# KiCad board AnalogComputer.kicad_pcb (continued)
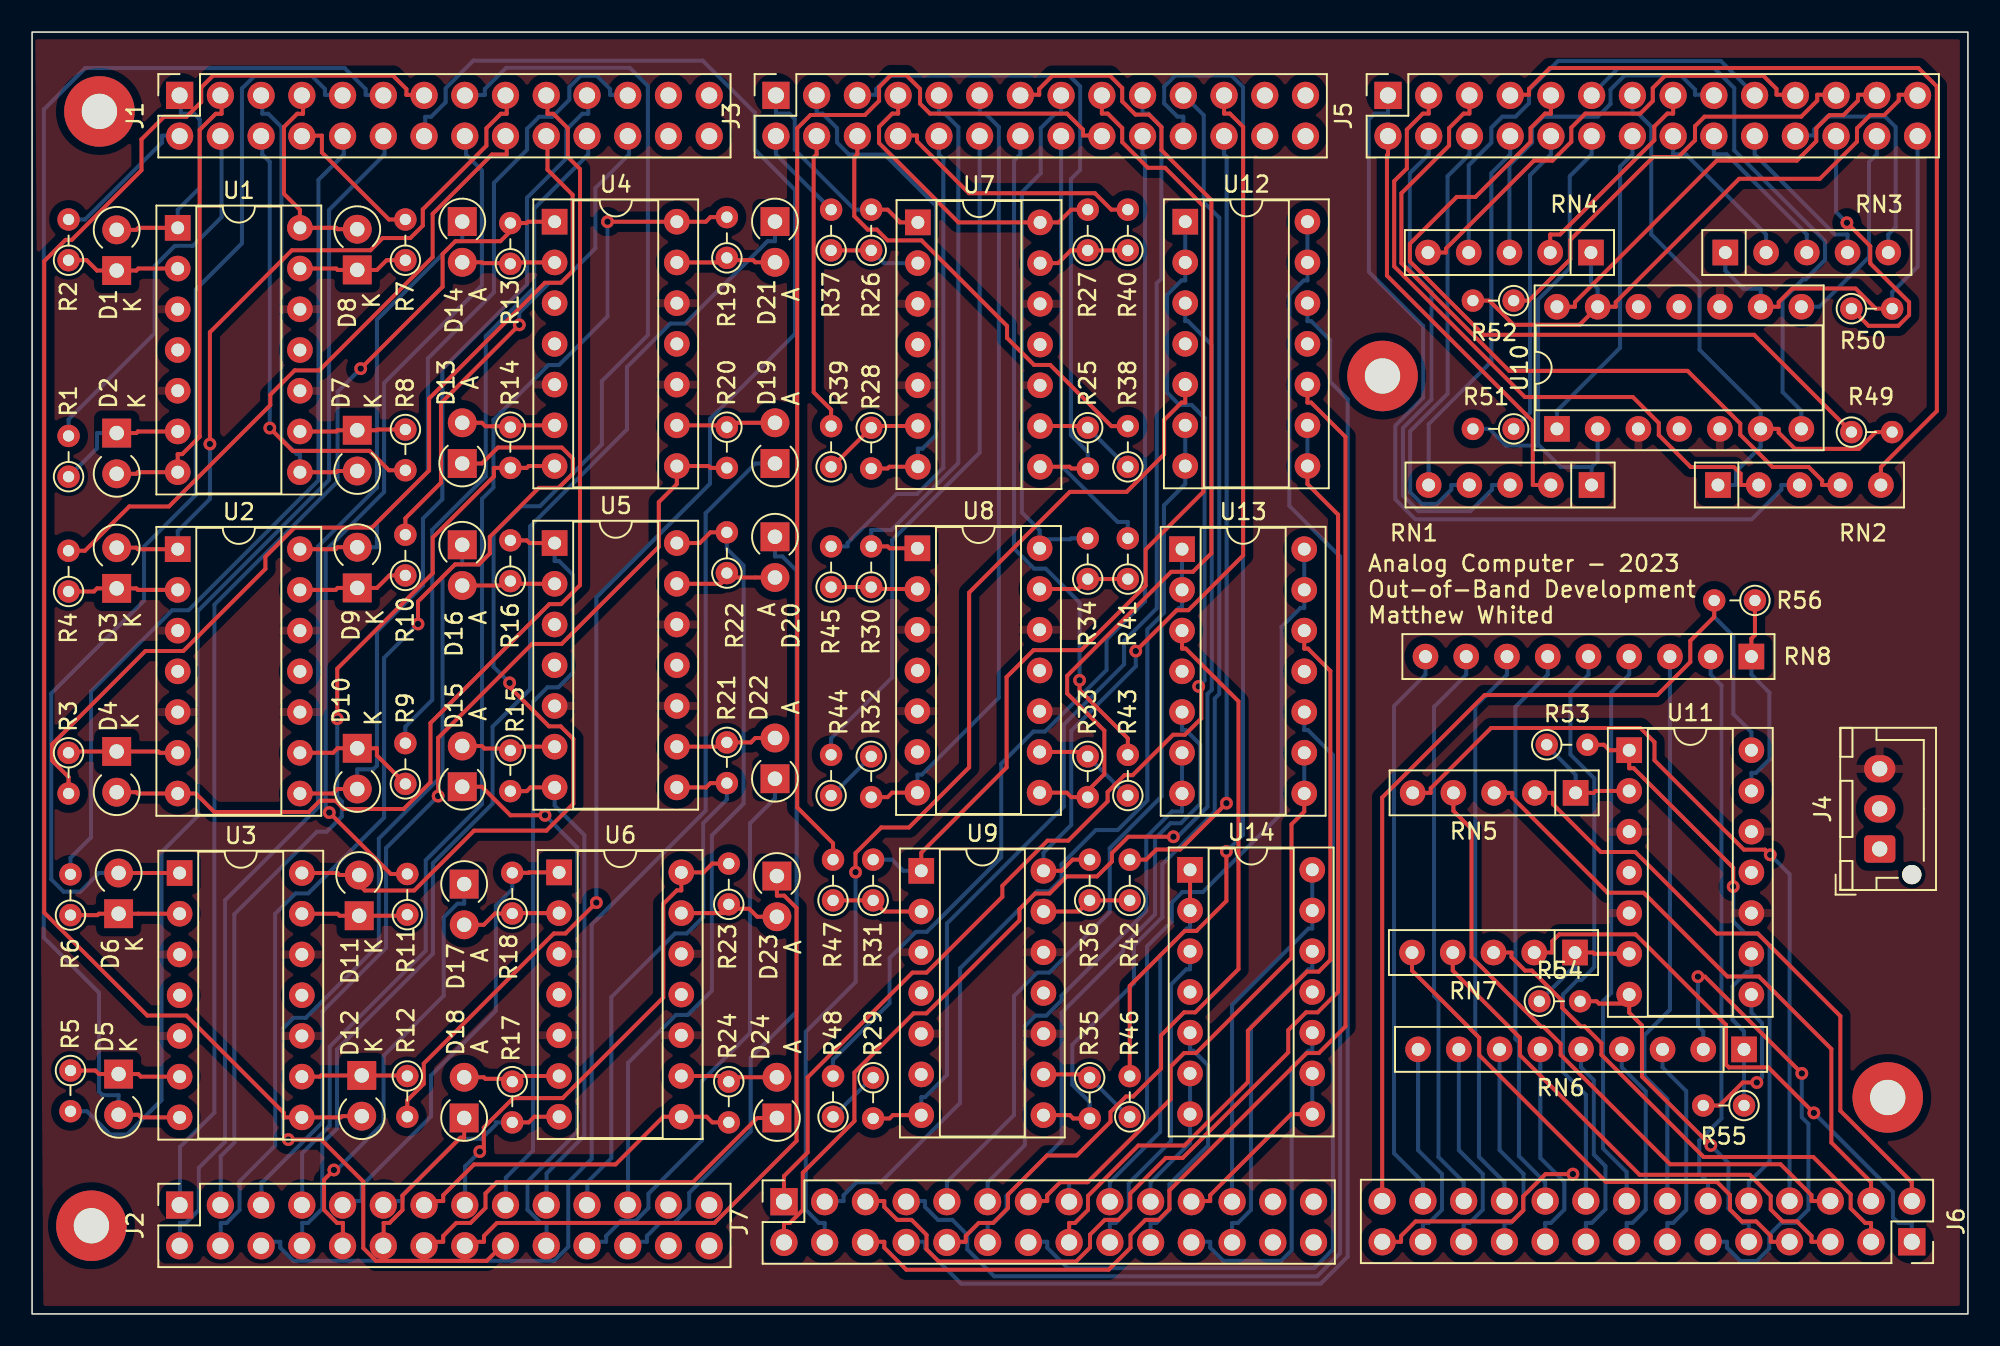
[diagram p0: board, top side]
## Routing (per net, layer and track width the routed paths; a pad name or vN(x,y) marks a point on that pad's centre or on a via; arc(x,y) is an arc through that point) (continued)
  Bottom w0.25: v1(25.32,32.3) 22.07,29.05 22.07,22.84 18.11,18.87 18.11,11.96 14.37,8.22 14.3,8.22 14.3,7.04
/ALogOut3: length 76.9
  Top w0.25: v1(35.88,68.12) U4.14 42.01,68.12 42.29,68.41 R19.2
  Bottom w0.25: v1(35.88,68.12) 35.88,62.21 32.85,59.18 32.19,59.18 28.77,55.76 28.77,51.55 28.05,50.83 28.05,31.8 24.54,28.29 24.54,22.66 18.56,16.67 18.56,11.74 16.84,10.02 16.84,7.04
/ALogOut4: length 28.5
  Top w0.25: R18.2 30.97,27.52 30.99,27.54 U6.1
  Bottom w0.25: 19.38,7.04 20.56,7.04 20.56,8 24.87,12.32 24.87,14.87 28.91,18.91 28.91,25.46 29.94,26.49 R18.2
/ALogOut5: length 13.4
  Top w0.25: R17.2 30.97,11.95 31.32,12.3 U6.7
  Bottom w0.25: 21.92,7.04 23.1,7.04 23.1,7.41 26.61,10.92 28.02,10.92 28.91,11.82 28.91,11.95 R17.2
/ALogOut6: length 21.5
  Top w0.25: 24.46,7.04 25.64,7.04 25.64,7.41 27.56,9.33 36.38,9.33 39.35,12.3 U6.8 42.06,12.3 42.41,11.95 R24.2
/ALogOut7: length 31.2
  Top w0.25: R23.2 42.41,28.09 41.87,27.54 U6.14 40.48,26.41 40.2,26.41 39.35,25.57 39.35,19.73 33.08,13.46 30,13.46 28.17,11.62 28.17,10.38 v1(27.91,10.12)
  Bottom w0.25: v1(27.91,10.12) 27,9.21 27,7.04
/ALogOut8: length 46.6
  Top w0.25: R16.2 30.85,48.25 31.01,48.08 U5.1
  Bottom w0.25: 29.54,7.04 29.54,8.5 31.24,10.2 31.24,38.18 32.13,39.08 32.81,39.08 33.72,39.99 33.72,46.09 32.86,46.95 32.58,46.95 U5.1
/ALogOut9: length 30.4
  Top w0.25: U5.7 31.08,32.84 30.85,32.61 R15.2
  Bottom w0.25: 32.08,7.04 32.08,8.76 34.44,11.12 34.44,29.86 32.58,31.71 U5.7
/ALogOut10: length 33.3
  Top w0.25: R21.2 42.29,33.11 42.03,32.84 U5.8
  Bottom w0.25: 34.62,7.04 34.62,8.22 36.12,9.71 36.12,19.76 40.09,23.73 40.82,23.73 41.84,24.75 41.84,30.61 43.32,32.08 R21.2
/ALogOut11: length 48.9
  Top w0.25: R22.2 42.29,48.75 41.63,48.08 U5.14
  Bottom w0.25: 37.16,7.04 37.16,15.66 40.15,18.65 40.88,18.65 42.38,20.16 42.38,29.85 44.36,31.83 44.36,46.68 43.32,47.72 R22.2
/Buffer In 0: length 74.5
  Top w0.25: v1(71.16,29.76) 68.35,29.76 67.33,28.74 67.33,28.21 66.4,27.29 64.51,27.29 63.44,26.22 62.54,26.22 61.56,25.24 61.56,24.54 55.77,18.75 54.97,18.75 51.27,15.06 51.27,12.03 48.06,8.81 48.06,6.48 47.25,5.68 46.88,5.68 46.88,4.5
  Bottom w0.25: U12.3 71.9,61.92 72.08,61.92 73.56,60.44 73.56,38.93 73.29,38.66 73.29,31.63 71.42,29.76 v1(71.16,29.76)
/Buffer In 1: length 67.2
  Top w0.25: v1(51.34,27.55) 51.34,28.74 52.94,30.34 54.68,30.34 58.43,34.09 58.43,44.99 64.71,51.27 68.24,51.27 70.58,53.61 70.58,55.75 71.67,56.84 71.9,56.84 U12.5
  Bottom w0.25: v1(51.34,27.55) 51.34,20.7 48.24,17.6 48.24,6.48 49.05,5.68 49.42,5.68 49.42,4.5
/Buffer In 2: length 79.5
  Top w0.25: U12.10 79.52,56.84 79.75,56.84 81.89,54.7 81.89,17.93 80.23,16.27 79.48,16.27 70.92,7.71 70.92,6.55 70.23,5.86 69.41,5.86 68.49,4.94 68.49,4.13 67.12,2.76 54.51,2.76 53.14,4.13 53.14,4.5 51.96,4.5
/Buffer In 3: length 90.2
  Bottom w0.25: U12.12 79.52,61.92 79.75,61.92 80.93,60.74 80.93,58.14 82.03,57.05 82.03,3.57 80.35,1.9 57.91,1.9 55.68,4.13 55.68,4.5 54.5,4.5
/Buffer In 4: length 50.2
  Top w0.25: U13.3 71.7,41.49 71.93,41.49 75.22,38.21 75.22,21.51 72.52,18.81 71.83,18.81 70.39,17.37 70.39,15.3 68.65,13.56 68.21,13.56 67.24,12.59 67.24,11.99 65.14,9.88 63.28,9.88 60.85,7.45 60.85,6.61 59.92,5.68 59.02,5.68 58.22,4.87 58.22,4.5 57.04,4.5
/Buffer In 5: length 39.7
  Bottom w0.25: U13.5 71.7,36.41 71.93,36.41 72.84,35.51 72.84,31.82 71.63,30.61 70.98,30.61 70.02,29.65 70.02,24.93 68.03,22.93 68.03,22.62 64.19,18.78 64.19,10.79 60.76,7.36 60.76,6.48 59.95,5.68 59.58,5.68 59.58,4.5
/Buffer In 6: length 54.8
  Bottom w0.25: 62.12,4.5 63.3,4.5 63.3,4.13 64.57,2.86 79.94,2.86 81.11,4.02 81.11,34.86 79.55,36.41 79.32,36.41 U13.10
/Buffer In 7: length 48
  Top w0.25: U13.12 79.32,41.49 79.55,41.49 80.95,40.1 80.95,22.08 80.22,21.35 79.49,21.35 75.81,17.66 75.81,14.46 71.85,10.5 68.98,10.5 65.84,7.36 65.84,6.48 65.03,5.68 64.66,5.68 64.66,4.5
/Buffer In 8: length 20.5
  Bottom w0.25: U14.3 72.2,21.49 71.97,21.49 71.01,20.54 71.01,10.78 68.38,8.15 68.38,6.48 67.57,5.68 67.2,5.68 67.2,4.5
/Buffer In 9: length 15.3
  Bottom w0.25: U14.5 72.2,16.41 72.41,16.41 73.33,15.5 73.33,10.5 70.92,8.09 70.92,6.48 70.11,5.68 69.74,5.68 69.74,4.5
/Buffer In 10: length 21.5
  Bottom w0.25: U14.10 79.82,16.41 79.59,16.41 78.54,15.36 78.54,3.97 77.88,3.31 74.28,3.31 73.46,4.13 73.46,4.5 72.28,4.5
/Buffer In 11: length 20.5
  Bottom w0.25: 74.82,4.5 74.82,5.68 75.19,5.68 76,6.48 76,17.9 79.59,21.49 79.82,21.49 U14.12
/Buffer Out 0: length 76.1
  Top w0.25: v1(72.74,39.14) 72.9,38.98 72.9,37.14 71.88,36.13 71.14,36.13 68.62,33.6 68.11,33.6 67.06,32.55 67.06,31.97 64.61,29.52 63.31,29.52 60.5,26.7 60.5,26.02 55.77,21.29 54.89,21.29 48.36,14.75 48.36,10.07 46.88,8.6 46.88,7.04
  Bottom w0.25: U12.1 U12.2 71.9,64.46 71.67,64.46 70.77,63.56 70.77,57.46 71.54,56.69 72.3,56.69 73.11,55.88 73.11,39.51 v1(72.74,39.14)
/Buffer Out 1: length 60.5
  Bottom w0.25: 49.42,7.04 50.6,7.04 50.6,7.41 51.4,8.22 52.92,8.22 57.86,13.16 57.86,21.56 62.67,26.37 63.43,26.37 64.19,27.12 64.19,28.04 66.32,30.18 67.69,30.18 69.54,32.03 69.54,42.69 70.57,43.72 70.57,50.43 71.9,51.76 U12.7 U12.6
/Buffer Out 2: length 76.7
  Top w0.25: U12.8 79.52,51.76 81.43,49.85 81.43,20.08 80.16,18.81 79.43,18.81 78.32,17.7 78.32,16.31 71.74,9.73 70.69,9.73 68.47,7.51 68.47,6.61 67.73,5.86 66.88,5.86 65.96,4.95 65.96,4.14 65.1,3.27 56.52,3.27 55.77,4.03 55.77,4.93 54.84,5.86 53.94,5.86 53.14,6.67 53.14,7.04 51.96,7.04
  Bottom w0.25: U12.9 U12.8
/Buffer Out 3: length 96.6
  Bottom w0.25: 54.5,7.04 55.68,7.04 55.68,6.67 56.48,5.86 57.38,5.86 58.31,4.93 58.31,4.03 59.99,2.35 80.12,2.35 81.56,3.79 81.56,47.23 78.39,50.4 78.39,63.56 79.29,64.46 79.52,64.46 U12.13 U12.14
/Buffer Out 4: length 47.3
  Bottom w0.25: 57.04,7.04 57.04,8.22 61.22,12.4 61.22,19.83 62.68,21.29 63.42,21.29 67.19,25.06 67.19,29.04 70.44,32.29 70.44,42.96 71.52,44.03 71.7,44.03 U13.2 U13.1
/Buffer Out 5: length 33.7
  Bottom w0.25: 59.58,7.04 59.58,8.22 61.9,10.53 61.9,17.95 62.55,18.6 63.24,18.6 64.19,19.55 64.19,19.85 69.47,25.13 69.47,29.73 71.07,31.33 71.7,31.33 U13.7 U13.6
/Buffer Out 6: length 37.2
  Top w0.25: 62.12,7.04 63.3,7.04 63.3,7.41 64.1,8.22 65.81,8.22 70.99,13.39 70.99,15.43 71.83,16.27 72.58,16.27 78.52,22.22 78.52,30.54 79.32,31.33 U13.8
  Bottom w0.25: U13.9 U13.8
/Buffer Out 7: length 48.3
  Bottom w0.25: 64.66,7.04 64.66,8.22 65.84,8.22 69.52,11.9 69.52,22.93 71.06,24.47 71.06,25.65 71.72,26.31 73,26.31 77.91,31.22 77.91,42.85 79.09,44.03 79.32,44.03 U13.13 U13.14
/Buffer Out 8: length 22.8
  Top w0.25: U14.2 U14.1
  Bottom w0.25: 67.2,7.04 67.2,8.22 70.34,11.35 70.34,22.37 72.01,24.03 72.2,24.03 U14.2
/Buffer Out 9: length 9
  Bottom w0.25: 69.74,7.04 69.74,8.22 72.2,10.68 U14.7 U14.6
/Buffer Out 10: length 12.5
  Top w0.25: U14.8 78.51,12.46 73.46,7.41 73.46,7.04 72.28,7.04
  Bottom w0.25: U14.9 U14.8
/Buffer Out 11: length 22.9
  Bottom w0.25: U14.14 U14.13 79.82,24.03 79.59,24.03 74.82,19.27 74.82,7.04
/In 1k A 4: length 19.3
  Bottom w0.25: 94.7,73.5 94.7,72.32 93.4,71.03 93.4,56.23 R51.1
/In 1k B 4: length 46.9
  Top w0.25: 94.7,76.04 94.7,74.86 94.33,74.86 93.43,73.96 93.43,73.1 90,69.67 88.83,69.67 85.91,66.75 85.91,65.65 90.48,61.07 107.37,61.07 R49.1
/In 1k C 4: length 17.4
  Top w0.25: v1(113.15,68.06) 114.61,66.6 114.61,65.53 117.03,63.1 117.03,62.3 116.36,61.63 114.51,61.63 R50.1
  Bottom w0.25: 112.48,73.5 112.48,68.73 v1(113.15,68.06)
/In 1k D 4: length 26.9
  Top w0.25: 112.48,76.04 111.3,76.04 111.3,75.67 110.31,74.68 104.28,74.68 103.68,74.08 103.68,73.2 102.64,72.16 101.07,72.16 95.91,66.99 95.91,65.79 93.32,63.2 R52.1
/In 10k A 0: length 26.7
  Top w0.25: 84.54,73.5 84.54,72.32 84.48,72.26 84.48,64.76 93.57,55.67 93.57,51.7 RN1.2
/In 10k A 1: length 32.2
  Bottom w0.25: 87.08,73.5 87.08,72.32 85.91,71.15 85.91,65.08 87.25,63.74 87.25,57.02 85.47,55.24 85.47,51.04 86.45,50.07 89.68,50.07 91.03,51.42 91.03,51.7 92.16,51.7
/In 10k A 2: length 28.4
  Bottom w0.25: 89.62,73.5 89.62,72.32 88.26,70.96 88.26,57.39 85.92,55.06 85.92,51.25 86.65,50.52 87.6,50.52 88.49,51.42 88.49,51.7 RN1.4
/In 10k A 3: length 23.9
  Bottom w0.25: 92.16,73.5 92.16,72.32 90.98,71.15 90.98,59.4 87.08,55.49 RN1.5
/In 10k B 0: length 55.1
  Bottom w0.25: 84.54,76.04 84.54,74.86 83.71,74.86 83.35,74.5 83.35,65 86.73,61.62 86.73,57.14 85,55.41 85,50.81 86.25,49.56 107.21,49.56 109.07,51.42 109.07,51.7 RN2.3
/In 10k B 1: length 41
  Top w0.25: 107.66,51.7 106.53,51.7 106.53,52.4 106.11,52.83 103.41,52.83 101.42,54.81 101.42,55.57 99.81,57.19 93.08,57.19 84.93,65.33 84.93,70.65 85.72,71.44 85.72,73.87 86.71,74.86 87.08,74.86 87.08,76.04
/In 10k B 2: length 46.1
  Top w0.25: 89.62,76.04 89.62,74.86 89.25,74.86 88.35,73.96 88.35,72.87 85.38,69.9 85.38,65.54 92.1,58.82 103.22,58.82 106.51,55.53 106.51,54.84 108.52,52.83 110.77,52.83 111.61,51.98 111.61,51.7 RN2.4
/In 10k B 3: length 54.3
  Top w0.25: 92.16,76.04 93.34,76.04 93.34,76.41 94.64,77.71 117.61,77.71 118.76,76.56 118.76,56.31 115.27,52.83 RN2.5
/In 10k C 0: length 10.2
  Bottom w0.25: RN3.2 108.11,67.33 103.12,72.32 102.32,72.32 102.32,73.5
/In 10k C 1: length 10.2
  Bottom w0.25: RN3.3 110.66,67.33 105.66,72.32 104.86,72.32 104.86,73.5
/In 10k C 2: length 10.2
  Bottom w0.25: RN3.4 113.2,67.33 112.4,67.33 107.4,72.32 107.4,73.5
/In 10k C 3: length 15.2
  Bottom w0.25: 109.94,73.5 111.12,73.5 111.12,73.87 111.93,74.68 115.54,74.68 116.2,74.03 116.2,67.79 115.73,67.33 RN3.5
/In 10k D 0: length 13.6
  Top w0.25: RN4.2 94.66,67.33 95.27,67.33 101.14,73.2 101.14,74.06 101.95,74.86 102.32,74.86 102.32,76.04
/In 10k D 1: length 22.3
  Bottom w0.25: 104.86,76.04 103.68,76.04 103.68,76.36 102.8,77.25 99.3,77.25 98.42,76.36 98.42,75.47 97.62,74.68 94.21,74.68 93.52,73.99 93.52,73.05 92.11,71.64 RN4.3
/In 10k D 2: length 27.9
  Bottom w0.25: 107.4,76.04 105.29,78.15 95.15,78.15 93.34,76.34 93.34,75.51 92.5,74.68 91.67,74.68 90.98,73.99 90.98,73.05 89.58,71.64 RN4.4
/In 10k D 3: length 29.3
  Top w0.25: RN4.5 88.16,66.2 88.16,66.45 93.64,71.93 94.79,71.93 95.97,73.11 95.97,73.99 96.85,74.86 100.27,74.86 101.05,75.65 101.05,76.46 101.81,77.22 107.95,77.22 108.76,76.41 108.76,76.04 109.94,76.04
/In a 0: length 38.6
  Top w0.25: RN5.2 94.83,32.5 94.83,31.8 97.81,28.81 99.96,28.81 105.04,23.73 107.59,23.73 112.75,18.57 112.75,12.67 117.2,8.22 117.2,7.04
/In a 1: length 38.3
  Top w0.25: 114.66,7.04 114.66,8.22 112.19,10.69 112.19,16.53 107.67,21.05 105.7,21.05 100.48,26.27 98.23,26.27 92.29,32.22 92.29,32.5 RN5.3
/In a 2: length 40
  Top w0.25: 112.12,7.04 110.94,7.04 110.94,7.41 109.01,9.34 102.13,9.34 95.31,16.16 95.31,16.85 94.25,17.91 94.09,17.91 89.75,22.26 89.75,30.25 88.62,31.37 RN5.4
/In a 3: length 50.2
  Top w0.25: v1(108.37,28.63) 108.05,28.95 106.73,28.95 101.16,34.53 101.16,35.66 100.28,36.54 90.97,36.54 87.21,32.78 87.21,32.5 RN5.5
  Bottom w0.25: v1(108.37,28.63) 109.58,27.43 109.58,7.04
/In b 0: length 35.4
  Top w0.25: v1(111.09,12.54) 108.26,15.37 105.79,15.37 105.61,15.55 105.61,18.04 99.97,23.68 95.22,23.68 94.79,23.24 94.79,22.54 RN7.2
  Bottom w0.25: v1(111.09,12.54) 116.02,7.61 116.02,6.02 116.37,5.68 117.2,5.68 117.2,4.5
/In b 1: length 33.1
  Top w0.25: 114.66,4.5 114.66,5.68 114.29,5.68 113.39,6.58 113.39,7.46 111.06,9.79 104.23,9.79 97.85,16.16 97.85,16.88 96.8,17.93 96.56,17.93 95.4,19.09 95.4,19.53 93.52,21.41 93.09,21.41 92.25,22.26 92.25,22.54 RN7.3
/In b 2: length 33
  Top w0.25: 112.12,4.5 110.94,4.5 110.94,4.87 110.04,5.77 109.15,5.77 108.4,6.51 108.4,7.36 107.09,8.68 100.23,8.68 92.77,16.14 92.77,17.22 88.58,21.41 RN7.4
/In b 3: length 33.1
  Top w0.25: RN7.5 86.04,21.41 90.23,17.22 90.23,16.14 98.14,8.23 105.06,8.23 105.86,7.42 105.86,6.51 106.61,5.77 107.5,5.77 108.4,4.87 108.4,4.5 109.58,4.5
/In c 0: length 31.1
  Top w0.25: v1(110.34,15) 104.31,21.04 v1(103.87,21.04)
  Bottom w0.25: v1(103.87,21.04) 103.87,17.96 104.2,17.63 RN6.2 ; 104.5,4.5 105.68,4.5 105.68,4.13 106.51,3.3 107.53,3.3 108.31,4.08 108.31,4.93 109.05,5.68 109.92,5.68 110.76,6.51 110.76,11.85 110.34,12.26 v1(110.34,15)
/In c 1: length 13.3
  Bottom w0.25: 101.96,4.5 101.96,5.68 102.33,5.68 103.14,6.49 103.14,13.9 101.66,15.37 RN6.3
/In c 2: length 13.3
  Bottom w0.25: RN6.4 99.12,15.37 100.61,13.88 100.61,6.5 99.79,5.68 99.42,5.68 99.42,4.5
/In c 3: length 13.3
  Bottom w0.25: RN6.5 96.58,15.37 97.38,14.58 97.38,9.94 98.1,9.22 98.1,6.53 97.25,5.68 96.88,5.68 96.88,4.5
/In c 4: length 13.3
  Bottom w0.25: RN6.6 94.04,9.73 95.54,8.23 95.54,6.51 94.71,5.68 94.34,5.68 94.34,4.5
/In c 5: length 13.3
  Bottom w0.25: RN6.7 91.5,10.21 92.99,8.72 92.99,6.5 92.17,5.68 91.8,5.68 91.8,4.5
/In c 6: length 13.3
  Bottom w0.25: RN6.8 88.96,10.21 90.45,8.72 90.45,6.5 89.63,5.68 89.26,5.68 89.26,4.5
/In c 7: length 13.3
  Bottom w0.25: RN6.9 86.42,10.21 87.91,8.72 87.91,6.5 87.09,5.68 86.72,5.68 86.72,4.5
/In d 0: length 35
  Bottom w0.25: RN8.2 104.66,39.87 105.33,39.2 105.33,12.2 103.94,10.81 103.94,8.77 104.5,8.22 104.5,7.04
/In d 1: length 35.2
  Bottom w0.25: 101.96,7.04 101.96,13.4 100.53,14.83 100.53,17.38 102.12,18.97 RN8.3
/In d 2: length 35.2
  Bottom w0.25: RN8.4 99.58,39.87 98.45,38.75 98.45,20.02 97.95,19.52 97.95,10.32 99.42,8.85 99.42,7.04
/In d 3: length 36.6
  Bottom w0.25: 96.88,7.04 96.88,13.66 95.45,15.09 95.45,19.93 96.34,20.82 96.59,20.82 97.41,21.64 97.41,33.4 95.92,34.89 95.92,38.75 97.04,39.87 RN8.5
/In d 4: length 35.6
  Bottom w0.25: 94.34,7.04 94.34,8.22 92.7,9.85 92.7,16.94 92.48,17.16 92.48,37.86 94.5,39.87 RN8.6
/In d 5: length 35.5
  Bottom w0.25: RN8.7 91.96,39.87 89.98,37.9 89.98,17.47 90.21,17.24 90.21,9.81 91.8,8.22 91.8,7.04
/In d 6: length 35.6
  Bottom w0.25: 89.26,7.04 89.26,8.22 87.69,9.79 87.69,19.56 87.41,19.84 87.41,37.86 89.42,39.87 RN8.8
/In d 7: length 35.5
  Bottom w0.25: 86.72,7.04 86.72,8.22 84.91,10.02 84.91,37.91 86.88,39.87 RN8.9
/InvertIn0: length 6.1
  Bottom w0.25: R37.2 49.82,68.88 46.38,72.32 46.38,73.5
/InvertIn1: length 18.7
  Top w0.25: R39.2 49.82,56.4 48.73,57.49 48.73,72.14 48.92,72.32 48.92,73.5
/InvertIn2: length 28
  Top w0.25: R38.2 67.29,55.37 63.48,59.19 62.47,59.19 60.79,60.87 60.79,61.62 55.46,66.95 53.35,66.95 52.67,67.63 52.1,67.63 51.27,68.47 51.27,72.13 51.46,72.32 51.46,73.5
/InvertIn3: length 16.5
  Top w0.25: R40.2 67.29,68.87 66.27,69.9 58.41,69.9 55.18,73.13 55.18,73.5 54,73.5
/InvertIn4: length 30
  Bottom w0.25: 56.54,73.5 56.54,72.32 56.82,72.05 56.82,52.78 55.18,51.15 53.91,51.15 50.85,48.09 50.85,47.87 R45.2
/InvertIn5: length 42.5
  Bottom w0.25: R44.2 49.82,35.9 53.62,39.7 53.62,48.27 59.08,53.72 59.08,73.5
/InvertIn6: length 42.2
  Top w0.25: R43.2 68.32,35.9 65.31,38.91 v1(65.31,39.52)
  Bottom w0.25: v1(65.31,39.52) 65.31,44.37 63.2,46.48 62.47,46.48 61.23,47.73 61.23,71.93 61.62,72.32 61.62,73.5
/InvertIn7: length 27.2
  Bottom w0.25: R41.2 68.32,49.4 67.68,49.4 64.16,52.92 64.16,73.5
/InvertIn8: length 69.7
  Top w0.25: 66.7,73.5 65.52,73.5 65.52,73.87 64.53,74.86 55.98,74.86 55.36,75.48 55.36,76.4 54.5,77.27 53.56,77.27 52.81,76.51 52.81,75.66 51.93,74.78 48.54,74.78 47.7,73.95 47.7,31.59 49.94,29.36 49.94,28.33
/InvertIn9: length 67.6
  Bottom w0.25: R48.2 49.94,15.86 53.46,19.38 53.46,22.19 55.1,23.83 55.78,23.83 60.43,28.47 60.43,34.32 62.43,36.32 63.15,36.32 66.99,40.16 66.99,42.06 69.4,44.46 69.4,72.17 69.24,72.32 69.24,73.5
/InvertIn10: length 74.3
  Top w0.25: v1(74.46,28.84) 74.46,25.76 72.6,23.89 71.87,23.89 68.44,20.46 R46.2
  Bottom w0.25: 71.78,73.5 71.78,74.68 71.41,74.68 70.58,75.5 70.58,76.55 71.27,77.24 74.79,77.24 75.5,76.52 75.5,29.88 v1(74.46,28.84)
/InvertIn11: length 49.2
  Top w0.25: v1(74.47,31.86) 71.58,28.97 70.1,28.97 69.47,28.33 68.44,28.33
  Bottom w0.25: 74.32,73.5 74.32,72.32 74.48,72.16 74.48,31.87 v1(74.47,31.86)
/InvertOut0: length 14
  Top w0.25: R26.2 53.35,68.87 54.1,68.11 54.1,68.08 U7.1
  Bottom w0.25: 46.38,76.04 46.38,74.86 47.21,74.86 47.56,74.52 47.56,72.61 51.29,68.87 R26.2
/InvertOut1: length 31.4
  Top w0.25: R28.2 53.35,52.73 53.45,52.84 U7.7
  Bottom w0.25: 48.92,76.04 48.92,74.86 49.29,74.86 50.19,73.96 50.19,73.06 50.95,72.3 53.17,72.3 56.36,69.12 56.36,54.81 55.51,53.97 55.23,53.97 U7.7
/InvertOut2: length 42.4
  Top w0.25: U7.8 64.69,52.84 64.79,52.73 R25.2
  Bottom w0.25: 51.46,76.04 52.64,76.04 52.64,76.41 53.45,77.22 64.68,77.22 65.35,76.56 65.35,71.35 64.77,70.78 64.77,54.81 65.82,53.76 R25.2
/InvertOut3: length 19.1
  Top w0.25: R27.2 64.79,68.87 64,68.08 U7.14 57.76,68.08 52.81,73.03 52.81,74.04 53.63,74.86 54,74.86 54,76.04
/InvertOut4: length 34.8
  Top w0.25: R30.2 53.35,47.87 53.47,47.75 U8.1
  Bottom w0.25: R30.2 52.32,48.9 53.58,48.9 57.75,53.07 57.75,74.02 56.91,74.86 56.54,74.86 56.54,76.04
/InvertOut5: length 49.5
  Top w0.25: R32.2 53.35,32.23 53.63,32.51 U8.7
  Bottom w0.25: U8.7 55.2,33.64 55.48,33.64 60.28,38.44 60.28,74.03 59.45,74.86 59.08,74.86 59.08,76.04
/InvertOut6: length 63.6
  Top w0.25: 65.42,32.23 66.86,33.67 66.86,36.38 64.54,38.7 64.54,39.8 71.03,46.29 72.38,46.29 73.53,47.44 73.53,69.47 70.42,72.59 70.42,74.03 69.64,74.8 68.79,74.8 67.97,75.63 67.97,76.46 67.2,77.23 63.62,77.23 62.8,76.41 62.8,76.04 61.62,76.04 ; 65.42,32.23 64.79,32.23 64.51,32.51 U8.8 ; 65.42,32.23 R33.2
/InvertOut7: length 33
  Bottom w0.25: 64.16,76.04 64.16,74.86 63.79,74.86 62.89,73.96 62.89,71.14 61.71,69.96 61.71,49.98 62.82,48.88 62.82,48.32 ; 62.82,48.32 64.74,48.32 64.79,48.37 R34.2 ; 62.82,48.32 U8.14
/InvertOut8: length 64.2
  Top w0.25: U9.1 55.44,28.76 60.76,34.09 60.76,39.72 62.44,41.4 65.41,41.4 69.43,45.42 69.43,47.68 73.03,51.27 73.03,69.1 70.64,71.48 69.57,71.48 67.97,73.09 67.97,73.96 67.07,74.86 66.7,74.86 66.7,76.04
  Bottom w0.25: U9.1 54.31,27.64 53.62,28.33 52.44,28.33
/InvertOut9: length 73.8
  Top w0.25: U9.7 53.67,12.4 53.47,12.19 R29.2
  Bottom w0.25: 69.24,76.04 69.24,74.86 69.61,74.86 70.42,74.06 70.42,64.58 70.12,64.29 70.12,44 68.09,41.97 68.09,40.52 64.33,36.76 64.33,31.64 57.04,24.35 57.04,14.89 55.67,13.52 55.44,13.52 U9.7
/InvertOut10: length 72
  Top w0.25: R35.2 64.91,12.19 64.71,12.4 U9.8
  Bottom w0.25: 71.78,76.04 73.05,74.77 73.05,69.34 74.02,68.37 74.02,38.67 73.74,38.38 73.74,31.31 70.48,28.05 70.48,24.75 68.7,22.97 68.7,20.63 64.86,16.79 64.86,14.3 65.94,13.22 R35.2
/InvertOut11: length 57.9
  Top w0.25: v1(68.81,41.34) 71.36,43.89 72.09,43.89 75.51,47.31 75.51,74.04 74.69,74.86 74.32,74.86 74.32,76.04 ; U9.14 64.19,27.64 64.88,28.33 65.94,28.33
  Bottom w0.25: U9.14 63.06,28.76 64.79,30.5 64.79,36.37 68.81,40.39 v1(68.81,41.34)
/LogIn0: length 9.4
  Bottom w0.25: 9.28,73.49 8.1,73.49 8.1,73.06 3.3,68.26 R2.2
/LogIn1: length 23.3
  Bottom w0.25: R1.2 2.28,55.78 7.65,61.16 7.65,65.37 8.9,66.61 10.02,66.61 11.81,68.41 11.81,73.49
/LogIn2: length 28
  Top w0.25: v1(14.82,55.25) 16.25,53.83 21.04,53.83 22.25,52.62 R8.2
  Bottom w0.25: 14.36,73.49 14.36,72.31 14.82,71.85 v1(14.82,55.25)
/LogIn3: length 9.2
  Top w0.25: 16.89,73.49 18.07,73.49 18.07,72.44 22.25,68.26 R7.2
/LogIn4: length 53.7
  Bottom w0.25: 19.44,73.49 19.44,72.31 17.86,70.74 17.86,51.99 9.75,43.89 8.74,43.89 3.67,38.82 3.67,29.72 2.4,28.44 R6.2
/LogIn5: length 73.1
  Bottom w0.25: R5.2 3.42,12.64 4.87,11.19 5.93,11.19 8.07,13.34 8.07,28.8 10.33,31.05 10.33,43.83 18.52,52.02 18.52,68.86 21.98,72.31 21.98,73.49
/LogIn6: length 99.1
  Top w0.25: R12.2 23.39,13.32 24.42,14.35 24.42,15.62 32.53,23.73 33.26,23.73 v1(35.18,25.65)
  Bottom w0.25: v1(35.18,25.65) 35.18,44.7 42.27,51.78 42.27,55.83 47.57,61.13 47.57,70.12 45.06,72.62 45.06,74.93 41.81,78.17 27.52,78.17 25.78,76.44 25.78,75.57 24.88,74.66 24.52,74.66 24.52,73.49
/LogIn7: length 53.2
  Top w0.25: R11.2 22.37,27.44 18.54,31.27 v1(18.53,31.27)
  Bottom w0.25: v1(18.53,31.27) 18.3,31.5 18.3,47.62 21.95,51.27 21.95,58.06 28.05,64.16 28.05,71.32 27.06,72.31 27.06,73.49
/LogIn8: length 40.7
  Top w0.25: R4.2 3.3,47.6 6.06,50.36 8.53,50.36 14.85,56.68 14.85,57.33 16.37,58.85 17.91,58.85 24.98,65.92 24.98,68.61 28.68,72.31 29.59,72.31 29.59,73.49
/LogIn9: length 60.3
  Top w0.25: R3.2 2.28,33.48 1.25,34.51 1.25,35.53 7.07,41.35 9.43,41.35 14.55,46.47 14.55,47.22 16.37,49.05 21.19,49.05 24.75,52.61 24.75,57.09 31.97,64.31 32.98,64.31 33.71,65.04 33.71,69.8 32.14,71.37 32.14,73.49
/LogIn10: length 42.6
  Bottom w0.25: 34.67,73.49 34.67,72.31 31.31,68.95 31.31,64.02 28.29,60.99 28.29,52.23 24.95,48.9 24.95,38.3 23.28,36.62 R9.2
/LogIn11: length 31.1
  Top w0.25: v1(30.38,61.69) 25.49,56.81 25.49,51.84 23.28,49.62 R10.2
  Bottom w0.25: 37.22,73.49 37.22,72.31 35.13,70.22 35.13,66.46 32.97,64.31 32.24,64.31 30.38,62.45 v1(30.38,61.69)
/LogOut0: length 13.7
  Top w0.25: U1.1 6.63,67.74 6.5,67.61 D1.2
  Bottom w0.25: U1.1 9.08,68.87 10.45,70.24 10.45,74.51 10.11,74.85 9.28,74.85 9.28,76.03
/LogOut1: length 28.9
  Top w0.25: D2.2 6.5,52.4 6.6,52.5 U1.7 9.08,53.63 9.36,53.63 10.45,54.71 10.45,73.85 11.45,74.85 11.81,74.85 11.81,76.03
/LogOut2: length 28.4
  Top w0.25: U1.8 18.97,52.5 19.05,52.58 20.28,52.58
  Bottom w0.25: U1.8 16.7,53.63 16.5,53.63 15.55,54.58 15.55,74.03 14.72,74.85 14.36,74.85 14.36,76.03
/LogOut3: length 13
  Top w0.25: 16.89,76.03 16.89,74.85 16.53,74.85 15.7,74.03 15.7,69.86 16.7,68.87 U1.14 18.96,67.74 19.05,67.66 D8.2
/LogOut4: length 70.4
  Top w0.25: U3.1 6.62,27.5 6.62,27.5 D6.2
  Bottom w0.25: 19.44,76.03 18.26,76.03 18.26,76.39 17.45,77.21 13.86,77.21 13.09,76.43 13.09,66.77 10.21,63.89 10.21,51.08 6.98,47.86 6.98,44.48 1.19,38.69 1.19,27.11 1.96,26.34 3,26.34 4.17,27.5 D6.2
/LogOut5: length 92.3
  Top w0.25: D5.2 6.62,12.42 6.78,12.26 U3.7
  Bottom w0.25: 21.98,76.03 20.8,76.03 20.8,76.39 19.49,77.7 3.31,77.7 0.73,75.12 0.73,23.47 4.17,20.03 4.17,13.88 4.4,13.65 5.39,13.65 D5.2
/LogOut6: length 96.8
  Top w0.25: D12.2 19.33,12.34 19.25,12.26 U3.8 15.69,12.26 15.69,12.54 9.63,18.61 7.18,18.61 0.76,25.03 0.76,65.66 2.09,66.99 2.48,66.99 6.82,71.33 6.82,73.26 8.23,74.66 9.63,74.66 10.55,75.58 10.55,76.49 11.29,77.23 22.5,77.23 23.34,76.39 23.34,76.03 24.52,76.03
/LogOut7: length 84.9
  Top w0.25: D11.2 19.78,27.38 ; 19.78,27.38 19.17,27.38 19.04,27.5 U3.14 ; 19.78,27.38 20.74,26.41 23.83,26.41 27.56,30.14 32.07,30.14 33.75,31.82 33.75,35.86 32.96,36.65 32.23,36.65 29.77,39.1 v1(29.77,39.36)
  Bottom w0.25: 27.06,76.03 28.23,76.03 28.23,76.39 29.56,77.72 37.26,77.72 38.4,76.58 38.4,61.05 35.52,58.18 35.52,54.23 31.67,50.38 30.49,50.38 28.77,48.66 28.77,40.36 v1(29.77,39.36)
/LogOut8: length 44.8
  Top w0.25: v1(11.09,54.26) 11.09,61.23 16.2,66.34 21.1,66.34 21.86,67.1 23.58,67.1 24.36,67.88 24.36,68.89 28.33,72.86 28.33,73.95 29.23,74.85 29.59,74.85 29.59,76.03 ; U2.1 6.59,47.7 6.5,47.79 D3.2
  Bottom w0.25: v1(11.09,54.26) 11.09,50.83 9.08,48.82 U2.1
/LogOut9: length 69.5
  Top w0.25: D4.2 6.5,32.54 6.58,32.46 U2.7 10.21,32.46 11.36,31.31 17.25,31.31 17.95,32.01 18.92,32.01 19.43,31.49 23.17,31.49 24.84,33.16 24.84,36.86 32.25,44.27 32.98,44.27 34.16,45.46 34.16,71.4 33.41,72.16 33.41,73.95 32.5,74.85 32.14,74.85 32.14,76.03
/LogOut10: length 53.7
  Top w0.25: U2.8 18.77,32.46 19.05,32.74 D10.2
  Bottom w0.25: D10.2 20.28,33.97 21.27,33.97 21.5,34.19 21.5,42.56 24.37,45.43 24.37,49.6 25.58,50.81 25.58,58.92 30.86,64.2 30.86,69.62 33.31,72.07 33.31,73.85 34.31,74.85 34.67,74.85 34.67,76.03
/LogOut11: length 43.7
  Top w0.25: D9.2 19.05,47.82 18.93,47.7 U2.14
  Bottom w0.25: 37.22,76.03 36.04,76.03 36.04,76.4 35.21,77.22 34.21,77.22 33.5,76.52 33.5,75.73 32.43,74.66 31.61,74.66 30.87,73.92 30.87,72.61 28.79,70.54 28.79,63.71 24.68,59.6 24.68,52.54 21.5,49.36 21.5,47.82 D9.2
/Out  A: length 35.6
  Top w0.25: v1(106.07,26.66) 106.07,27.83 99.86,34.03 99.58,34.03 U11.1 98.35,35.16 98.01,35.5 R53.2
  Bottom w0.25: v1(106.07,26.66) 106.07,24.49 106.82,23.73 107.57,23.73 108.33,22.97 108.33,9.51 107.04,8.22 107.04,7.04
/Out  B: length 21.8
  Top w0.25: 99.58,19.36 97.69,19.36 97.55,19.5 R54.2 ; 99.58,19.36 99.58,18.79 100.38,18 100.38,14.81 v1(104.67,10.51) ; 99.58,19.36 U11.7
  Bottom w0.25: 107.04,4.5 107.04,5.68 106.67,5.68 105.77,6.58 105.77,9.41 v1(104.67,10.51)
/Out  C: length 34.1
  Top w0.25: R55.2 105.23,13 106.66,14.43 v1(107.54,14.43) ; 84.18,4.5 85.36,4.5 85.36,4.87 86.26,5.77 92.29,5.77 92.98,6.46 92.98,7.34 94.36,8.72 v1(96.07,8.72)
  Ground w0.25: R55.2 100.35,13 v1(96.07,8.72)
  Bottom w0.25: v1(107.54,14.43) 107.87,14.76 107.87,18.13 107.2,18.79 U11.8
/Out  D: length 62.6
  Top w0.25: R56.2 104.88,43.47 103.39,41.98 103.39,40.66 101.33,38.6 90.57,38.6 84.18,32.21 84.18,7.04
  Bottom w0.25: U11.14 107.2,36.29 106.07,37.41 106.07,42.28 104.88,43.47 R56.2
/Out A: length 20.2
  Bottom w0.25: 99.78,73.5 99.78,72.32 99.01,71.56 99.01,60.26 95.08,56.33 U10.1
/Out B: length 35.4
  Bottom w0.25: 97.24,76.04 98.9,77.7 104.89,77.7 106.13,76.46 106.13,72.57 111.79,66.91 111.79,65.73 110.59,64.53 110.41,64.53 109.14,63.26 109.14,57.5 110.32,56.33 U10.7
/Out C: length 13.3
  Bottom w0.25: 115.02,73.5 115.02,72.32 114.53,71.84 114.53,65.91 111.44,62.82 U10.8
/Out D: length 26.3
  Top w0.25: 115.02,76.04 113.84,76.04 113.84,75.67 112.94,74.77 112.07,74.77 111.24,73.95 111.24,73.14 110.03,71.93 105.03,71.93 96.2,63.1 96.2,62.82 U10.14
/SJ A: length 32.8
  Bottom w0.25: 97.23,52.83 97.61,53.21 U10.2 ; 97.23,52.83 95.31,52.83 93.9,54.24 ; 97.23,52.83 RN1.1 ; 93.9,54.24 93.83,54.16 91.9,54.16 90.86,55.2 R51.2 ; 93.9,54.24 93.9,63.26 95.88,65.24 95.88,70.96 97.24,72.32 97.24,73.5
/SJ B: length 38.9
  Top w0.25: R49.2 114.95,55 113.9,53.95 109.91,53.95 108.9,54.97 108.9,55.2 U10.6
  Bottom w0.25: 99.78,76.04 99.78,74.86 100.15,74.86 100.96,74.06 100.96,67.33 103.96,64.32 103.96,60.14 107.77,56.33 U10.6 107.77,54.07 106.24,52.54 106.24,51.7 RN2.1
/SJ C: length 25.7
  Top w0.25: U10.9 108.9,62.82 108.9,63.1 109.75,63.95 113.7,63.95 114.95,62.7 R50.2
  Bottom w0.25: 117.56,73.5 117.56,65.31 115.98,63.73 R50.2 ; U10.9 107.77,63.95 106.7,63.95 105.58,65.07 RN3.1
/SJ D: length 38.7
  Top w0.25: 117.56,76.04 116.38,76.04 116.38,75.67 115.48,74.77 114.61,74.77 113.78,73.95 113.78,73.12 111.46,70.8 106.44,70.8 98.74,63.1 98.74,62.82 U10.13 96.49,61.69 92.37,61.69 90.86,63.2 R52.2
  Bottom w0.25: U10.13 97.61,63.95 97.2,64.37 RN4.1
Net-(D1-K): length 7.1
  Top w0.25: R2.1 3.41,65.72 4.05,65.08 D1.1 6.5,65.08 6.63,65.2 U1.2
Net-(D2-K): length 8.5
  Top w0.25: U1.6 6.6,55.04 6.5,54.94 D2.1
  Bottom w0.25: D2.1 4.05,54.94 4.05,53.99 R1.1
Net-(D3-K): length 6.9
  Top w0.25: U2.2 6.59,45.16 6.5,45.25 D3.1 4.05,45.25 3.86,45.06 R4.1
Net-(D4-K): length 6.9
  Top w0.25: U2.6 7.95,35 7.87,35.08 D4.1 2.36,35.08 R3.1
Net-(D5-K): length 7
  Top w0.25: R5.1 3.95,15.18 4.17,14.96 D5.1 6.62,14.96 6.78,14.8 U3.6
Net-(D6-K): length 6.8
  Top w0.25: R6.1 4.08,24.88 4.17,24.96 D6.1 6.62,24.96 6.62,24.96 U3.2
Net-(D7-K): length 6.6
  Top w0.25: R8.1 21.55,55.16 21.5,55.11 D7.1 19.05,55.11 18.97,55.04 U1.9
Net-(D8-K): length 6.9
  Top w0.25: U1.13 18.96,65.2 19.05,65.11 D8.1 21.5,65.11 22.11,65.72 R7.1
Net-(D9-K): length 6.9
  Top w0.25: U2.13 18.93,45.16 19.05,45.28 D9.1 21.5,45.28 22.28,46.06 R10.1
Net-(D10-K): length 7.9
  Top w0.25: R9.1 21.5,34.83 21.5,35.28 D10.1 19.05,35.28 18.77,35 U2.9
Net-(D11-K): length 6.7
  Top w0.25: R11.1 23.33,24.83 D11.1 19.17,24.83 19.04,24.96 U3.13
Net-(D12-K): length 6.6
  Top w0.25: U3.9 17.95,14.8 18.02,14.88 D12.1 23.36,14.88 R12.1
Net-(D13-A): length 5.9
  Top w0.25: 29.82,55.36 R14.1 ; 29.82,55.36 28.26,55.36 28.05,55.58 D13.2 ; 29.82,55.36 29.88,55.42 U4.6
Net-(D14-A): length 5.8
  Top w0.25: 29.82,65.54 29.86,65.58 U4.2 ; 29.82,65.54 28.1,65.54 28.05,65.59 D14.2 ; 29.82,65.54 R13.1
Net-(D15-A): length 6
  Top w0.25: 29.82,35.26 28.2,35.26 28.05,35.42 D15.2 ; 29.82,35.26 29.94,35.38 U5.6 ; 29.82,35.26 R15.1
Net-(D16-A): length 5.9
  Top w0.25: U5.2 29.99,45.54 R16.1 29.55,45.43 D16.2
Net-(D17-A): length 6.2
  Top w0.25: U6.2 29.97,25 R18.1 28.87,24.97 28.17,24.27 D17.2
Net-(D18-A): length 6.2
  Top w0.25: 29.94,14.66 28.26,14.66 28.17,14.76 D18.2 ; 29.94,14.66 R17.1 ; 29.94,14.66 30.12,14.84 U6.6
Net-(D19-A): length 6.3
  Top w0.25: D19.2 43.59,55.58 R20.1 43.2,55.42 U4.9
Net-(D20-A): length 6.6
  Top w0.25: 43.32,45.93 R22.1 ; 43.32,45.93 D20.2 ; 43.32,45.93 42.93,45.54 U5.13
Net-(D21-A): length 6.4
  Top w0.25: D21.2 45.09,65.59 44.96,65.72 43.32,65.72 ; U4.13 43.18,65.58 43.32,65.72 ; 43.32,65.72 R19.1
Net-(D22-A): length 6.3
  Top w0.25: U5.9 43.05,35.38 R21.1 44.82,35.65 45.09,35.92 D22.2
Net-(D23-A): length 6.6
  Top w0.25: 43.44,25.27 43.17,25 U6.13 ; 43.44,25.27 R23.1 ; 43.44,25.27 44.71,25.27 45.21,24.77 D23.2
Net-(D24-A): length 6.2
  Top w0.25: D24.2 43.72,14.76 R24.1 43.09,14.84 U6.9
Net-(RN5-common): length 7.1
  Top w0.25: RN5.1 97.37,32.5 97.49,32.62 U11.2
  Bottom w0.25: RN5.1 96.24,33.63 94.44,35.43 R53.1
Net-(RN6-common): length 10.4
  Bottom w0.25: U11.9 107.2,21.33 106.92,21.33 106.02,20.44 106.02,18.34 106.74,17.63 RN6.1 R55.1
Net-(RN7-common): length 7.6
  Top w0.25: U11.6 97.41,22.46 97.33,22.54 RN7.1
  Bottom w0.25: RN7.1 96.2,21.41 95.89,21.41 R54.1
Net-(RN8-common): length 13.1
  Top w0.25: R56.1 107.42,42.35 107.2,42.13 RN8.1
  Bottom w0.25: RN8.1 107.2,39.87 108.33,38.75 108.33,34.59 107.48,33.75 107.2,33.75 U11.13
Net-(U7A--): length 5.7
  Top w0.25: R37.1 R26.1
  Bottom w0.25: R26.1 53.11,65.54 U7.2
Net-(U7B--): length 6.5
  Top w0.25: R39.1 49.88,52.83 R28.1 52.43,55.38 U7.6
Net-(U7C--): length 6.5
  Top w0.25: R25.1 65.71,55.38 U7.9
  Bottom w0.25: R25.1 68.26,52.83 R38.1
Net-(U7D--): length 5.8
  Top w0.25: R40.1 R27.1 64.77,66.33 63.98,65.54 U7.13
Net-(U8A--): length 5.4
  Top w0.25: U8.2 52.44,45.21 R30.1 R45.1
Net-(U8B--): length 6.5
  Ground w0.25: U8.6 52.6,35.05 R32.1
  Bottom w0.25: R44.1 49.88,32.33 R32.1
Net-(U8C--): length 6.6
  Top w0.25: U8.9 65.54,35.05 R33.1
  Bottom w0.25: R33.1 68.26,32.33 R43.1
Net-(U8D--): length 5.8
  Top w0.25: U8.13 65.2,45.21 R34.1 R41.1
Net-(U9A--): length 5.8
  Top w0.25: R47.1 R31.1 53.14,25.1 U9.2
Net-(U9B--): length 6.6
  Ground w0.25: R29.1 52.64,14.94 U9.6
  Bottom w0.25: R48.1 52.38,14.73 R29.1
Net-(U9C--): length 6.5
  Top w0.25: U9.9 65.73,14.94 R35.1
  Bottom w0.25: R35.1 68.38,12.29 R46.1
Net-(U9D--): length 5.7
  Top w0.25: R42.1 R36.1 65.25,25.1 U9.13

## Copper pours and planes (outline as drawn; the poured copper is in the pictures)
